# Altium PCB openmv-ae3.PcbDoc (part 1 of 5) (continued)
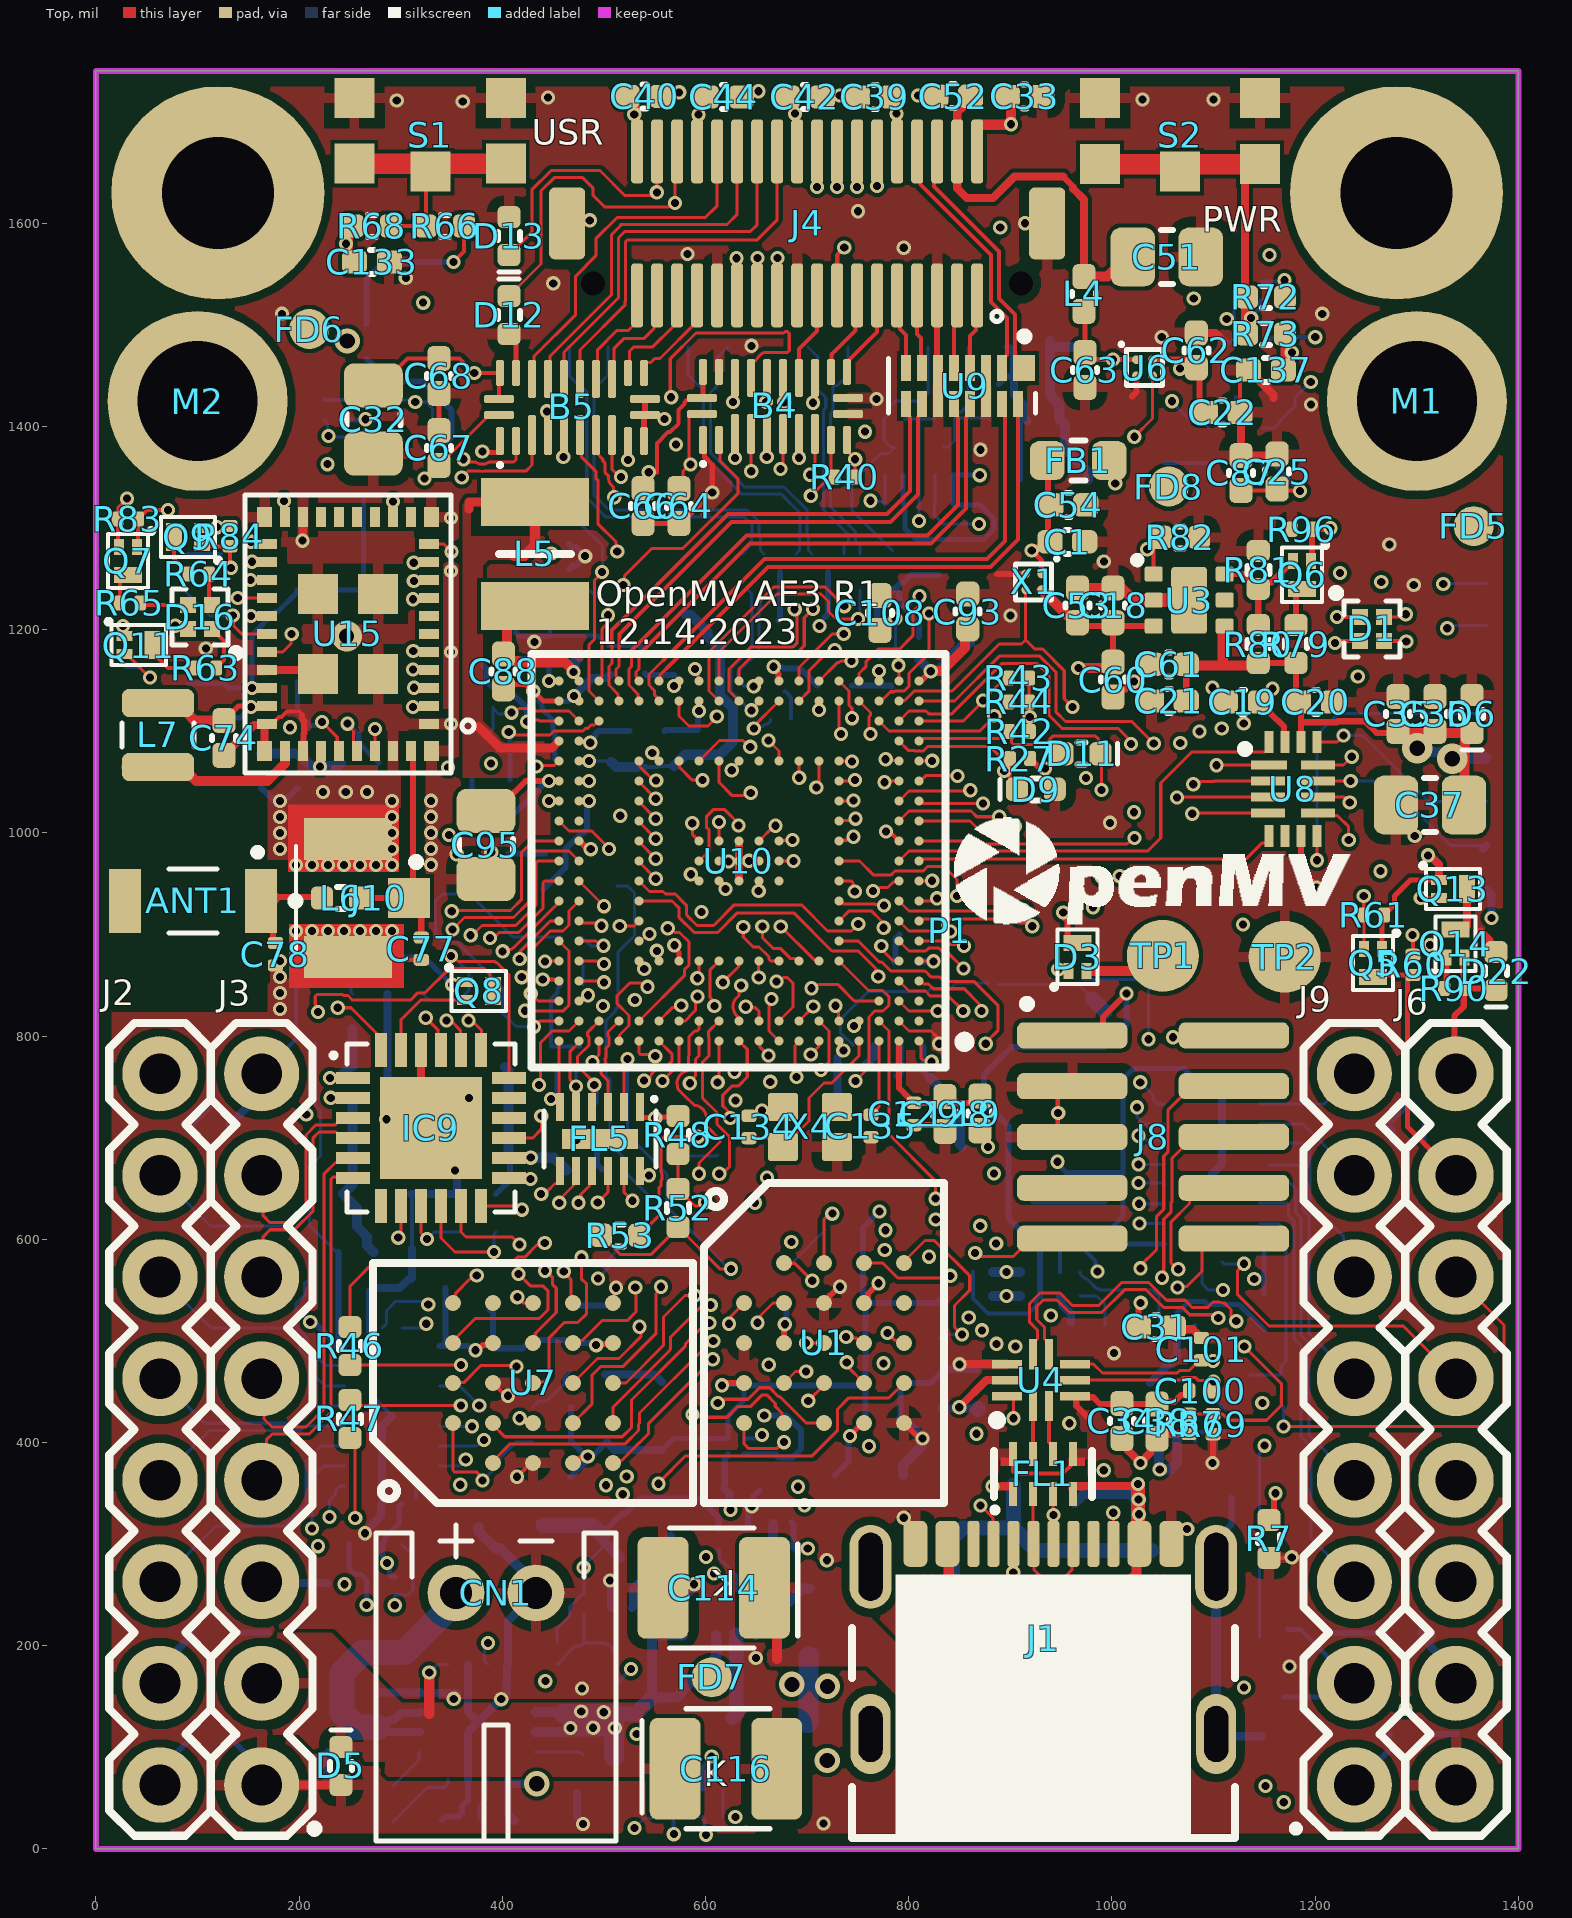
[diagram p0: Top view]
## Classes and differential pairs
differential pair class MIPI: MIPI_CSI_CLK MIPI_CSI_CLK_INT MIPI_CSI_D0 MIPI_CSI_D0_INT MIPI_CSI_D1 MIPI_CSI_D1_INT MIPI_DSI_CLK MIPI_DSI_CLK_INT MIPI_DSI_D0 MIPI_DSI_D0_INT MIPI_DSI_D1 MIPI_DSI_D1_INT USB_D
net class DCMI: DCMI_D0 DCMI_D1 DCMI_D2 DCMI_D5 DCMI_FSIN DCMI_MISO DCMI_MOSI DCMI_PWDN DCMI_RST# DCMI_SCLK DCMI_SDA DCMI_SSEL
component class wifi-bt: ANT1 C24 C73 C74 C75 C76 C77 C78 C79 C80 C86 J10 L6 L7 R56 R93 R94 U15 X3
component class usb: B1 C28 C30 C31 C34 C38 C41 C43 C100 C101 C110 FD1 FD2 FD3 FD4 FD5 FD6 FD7 FD8 FL1 J1 L1 M1 M2 P1 P2 P3 P4 Q1 R2 R3 R6 R7 R41 R98 R99 R100 U4 U5
component class sensor-header: B4 B5 C22 C32 C33 C39 C40 C42 C44 C51 C52 C62 C63 C64 C66 C67 C68 D9 D11 D12 D13 J4 L4 R27 R28 R40 R42 R43 R44 R54 U6 U9
component class sd-card: C18 C19 C20 C21 C35 C36 C37 C60 C61 D6 D18 J5 Q6 R79 R80 R81 R82 R95 R96 U3 U8
component class regulators: B2 B3 C1 C2 C45 C46 C47 C48 C49 C50 C53 C54 C58 C59 D3 L2 L3 R16 R17 R19 R20 R21 R22 TP1 TP2 X1 X2
component class psram: C6 C7 C11 C12 C29 R18 R23 R24 R25 R26 U1
component class prg-flash: C13 C14 C15 C16 C23 R29 R30 R31 R32 R33 U7
component class mic: B6 C25 C87
component class jtag: D10 FL5 J8 R48 R49 R50 R51 R52 R53 R55
component class io-headers: C69 C70 C71 C72 D4 D5 D7 D8 D14 D15 D19 J2 J3 J6 J9 R45 R46 R47 U11 U12
component class ideal-diode: C3 C4 C5 C114 D1 D17 IC1 Q2 Q3 R5 R8
component class ethernet: C65 C81 C82 C83 C84 C85 C89 C90 C96 IC9 L8 R34 R36 R38 R39
component class display-header: C139 C140 FB1 J7 U14
component class battery-charging: C8 C9 C10 C116 CN1 D2 R1 R4 R9 R10 R11 R12 R13 R14 U2
component class ae302f: C17 C55 C56 C57 C88 C91 C92 C93 C94 C95 C97 C98 C99 C102 C103 C104 C105 C106 C107 C108 C109 C111 C112 C113 C115 C117 C118 C119 C120 C121 C122 C123 C124 C125 C126 C127 C128 C129 C130 C131 C132 C133 C134 C135 C136 C137 C138 C141 C142 C143 D16 D20 D21 D22 D23 L5 L9 Q4 Q5 Q7 Q8 Q9 Q10 Q11 Q12 Q13 Q14 Q15 R57 R58 R59 R60 R61 R62 R63 R64 R65 R66 R67 R68 R69 R70 R71 R72 R73 R74 R75 R76 R77 R78 R83 R84 R85 R86 R87 R88 R89 R90 R91 R92 R97 S1 S2 U10 X4 Y1
component class accelerometer: C26 C27 IC7 R15 R35 R37
differential pair MDI_TX: +MDI_TX_P -MDI_TX_N
differential pair MDI_RX: +MDI_RX_P -MDI_RX_N
differential pair USB_D: +USB_D_P -USB_D_N
differential pair MIPI_DSI_D1: +MIPI_DSI_D1_P -MIPI_DSI_D1_N
differential pair MIPI_DSI_D1_INT: +MIPI_DSI_D1_INT_P -MIPI_DSI_D1_INT_N
differential pair MIPI_DSI_D0: +MIPI_DSI_D0_P -MIPI_DSI_D0_N
differential pair MIPI_DSI_D0_INT: +MIPI_DSI_D0_INT_P -MIPI_DSI_D0_INT_N
differential pair MIPI_DSI_CLK: +MIPI_DSI_CLK_P -MIPI_DSI_CLK_N
differential pair MIPI_DSI_CLK_INT: +MIPI_DSI_CLK_INT_P -MIPI_DSI_CLK_INT_N
differential pair MIPI_CSI_D1: +MIPI_CSI_D1_P -MIPI_CSI_D1_N
differential pair MIPI_CSI_D1_INT: +MIPI_CSI_D1_INT_P -MIPI_CSI_D1_INT_N
differential pair MIPI_CSI_D0: +MIPI_CSI_D0_P -MIPI_CSI_D0_N
differential pair MIPI_CSI_D0_INT: +MIPI_CSI_D0_INT_P -MIPI_CSI_D0_INT_N
differential pair MIPI_CSI_CLK: +MIPI_CSI_CLK_P -MIPI_CSI_CLK_N
differential pair MIPI_CSI_CLK_INT: +MIPI_CSI_CLK_INT_P -MIPI_CSI_CLK_INT_N
differential pair D2: +D2_P -D2_N
differential pair D1: +D1_P -D1_N
differential pair BL_USB_D: +BL_USB_D_P -BL_USB_D_N

## Components (designator, comment, footprint, x,y, rotation, side; value= is the part's Value field where it differs from the comment)
ANT1 "AMCA31-2R450G-S1F-T3" ANTC3216X140N 95.47,933.07 r180 top
B1 "NXS0102GTX" NXS0102GTX 938.98,556.1 r90 bottom
B2 "TPS62826DMQR" TPS62826ADMQR 527.56,219.49 r90 bottom
B3 "TPS62824DMQR" TPS62826ADMQR 630.24,228.48 r270 bottom
B4 "SN74AXC8T245RJWR" SN74AXC8T245RJWR 668.31,1420.28 r90 top
B5 "SN74AXC8T245RJWR" SN74AXC8T245RJWR 468.5,1419.29 r90 top
B6 "MP34DT05TR-A" MP34DT05TRA 1122.05,1380.91 r270 bottom
C1 "0.1uF" 0402-CAP 956.02,1286.61 r0 top
C2 "0.1uF" 0402-CAP 481,669 r0 bottom
C3 "4.7uF" 0402-CAP 806.1,193.9 r0 bottom
C4 "4.7uF" 0402-CAP 906.5,113.19 r90 bottom
C5 "4.7uF" 0402-CAP 808.07,52.17 r0 bottom
C6 "0.1uF" 0402-CAP 637.8,478.35 r90 bottom
C7 "0.1uF" 0402-CAP 774.61,423.23 r0 bottom
C8 "4.7uF" 0402-CAP 277.56,141.81 r270 bottom
C9 "4.7uF" 0402-CAP 429.13,27.56 r180 bottom
C10 "4.7uF" 0402-CAP 509.84,73.82 r90 bottom
C11 "0.1uF" 0402-CAP 736.22,537.4 r180 bottom
C12 "4.7uF" 0402-CAP 774.61,458.66 r180 bottom
C13 "0.1uF" 0402-CAP 449.8,366.14 r180 bottom
C14 "22uF" 0805 760.83,368.11 r180 bottom
C15 "0.1uF" 0402-CAP 508.86,517.72 r90 bottom
C16 "0.1uF" 0402-CAP 390.66,475.71 r270 bottom
C17 "1uF" 0402-CAP 803.74,758.86 r180 bottom
C18 "0.1uF" 0402-CAP 1001,1224 r90 top
C19 "0.1uF" 0402-CAP 1128.94,1128.94 r180 top
C20 "0.1uF" 0402-CAP 1200.79,1128.94 r0 top
C21 "0.1uF" 0402-CAP 1056,1130 r180 top
C22 "0.1uF" 0402-CAP 1109,1414 r0 top
C23 "4.7uF" 0402-CAP 502.95,417.32 r270 bottom
C24 "4.7uF" 0402-CAP 246.06,1327.76 r0 bottom
C25 "0.1uF" 0402-CAP 1162.55,1355.78 r90 top
C26 "0.1uF" 0402-CAP 283.46,1466.54 r0 bottom
C27 "4.7uF" 0402-CAP 283.46,1500.98 r180 bottom
C28 "0.1uF" 0402-CAP 868.11,450.79 r90 bottom
C29 "22uF" 0805 557,426 r270 bottom
C30 "4.7uF" 0402-CAP 831.69,450.79 r270 bottom
C31 "0.1uF" 0402-CAP 1043.31,513.78 r0 top
C32 "22uF" 0805 273,1407 r270 top
C33 "4.7uF" 0402-CAP 914,1725 r180 top
C34 "0.1uF" 0402-CAP 1009.84,421.26 r90 top
C35 "4.7uF" 0402-CAP 1281.5,1117.13 r270 top
C36 "0.1uF" 0402-CAP 1317.91,1117.13 r90 top
C37 "22uF" 0805 1312.99,1027.56 r180 top
C38 "4.7uF" 0402-CAP 1044.29,420.87 r270 top
C39 "4.7uF" 0402-CAP 766.73,1724.41 r0 top
C40 "4.7uF" 0402-CAP 540,1725 r180 top
C41 "0.1uF" 0402-CAP 923.23,621.06 r90 bottom
C42 "4.7uF" 0402-CAP 697.83,1724.41 r180 top
C43 "0.1uF" 0402-CAP 958.66,621.06 r90 bottom
C44 "4.7uF" 0402-CAP 618.11,1724.41 r180 top
C45 "22uF" 0805 410.23,317 r180 bottom
C46 "22uF" 0805 702,223 r90 bottom
C47 "120pF" C0201 453.74,192.91 r90 bottom
C48 "120pF" C0201 677.32,296.26 r0 bottom
C49 "4.7uF" 0402-CAP 577.76,227.36 r270 bottom
C50 "4.7uF" 0402-CAP 576,136 r90 bottom
C51 "22uF" 0805 1054,1567 r0 top
C52 "4.7uF" 0402-CAP 843.75,1725.15 r0 top
C53 "4.7uF" 0402-CAP 966,1224 r90 top
C54 "4.7uF" 0402-CAP 957,1323 r0 top
C55 "0.22uF" C0201 756,791 r180 bottom
C56 "0.22uF" C0201 810.04,1182.09 r270 bottom
C57 "4.7uF" 0402-CAP 507.87,1052.16 r270 bottom
C58 "4.7uF" 0402-CAP 636,353 r0 bottom
C59 "4.7uF" 0402-CAP 467,518 r90 bottom
C60 "4.7uF" 0402-CAP 1001,1151 r270 top
C61 "4.7uF" 0402-CAP 1056,1166 r180 top
C62 "4.7uF" 0402-CAP 1083,1475 r90 top
C63 "4.7uF" 0402-CAP 973.43,1455.71 r270 top
C64 "0.1uF" 0402-CAP 573.82,1321.85 r270 top
C65 "4.7uF" 0402-CAP 269.68,841.54 r180 bottom
C66 "0.1uF" 0402-CAP 538.39,1321.85 r270 top
C67 "0.1uF" 0402-CAP 337.6,1378.94 r90 top
C68 "0.1uF" 0402-CAP 337.6,1449.8 r270 top
C69 "0.1uF" 0402-CAP 327,561 r180 bottom
C70 "0.1uF" 0402-CAP 255.91,552.17 r0 bottom
C71 "0.1uF" 0402-CAP 992,621 r90 bottom
C72 "0.1uF" 0402-CAP 1149.61,528.54 r270 bottom
C73 "0.1uF" 0402-CAP 246.06,1292.32 r180 bottom
C74 "0.1uF" 0402-CAP 125.98,1093.5 r270 top
C75 "0.1uF" 0402-CAP 90.55,1164.37 r90 bottom
C76 "0.1uF" 0402-CAP 198.82,1061.02 r270 bottom
C77 "GRM0335C1H1R5BA01D" CAPC0603X33N 320.2,886.17 r270 top
C78 "DNP" C0201-NO-3D 176.63,880.73 r270 top
C79 "4.7uF" 0402-CAP 125.98,1093.5 r90 bottom
C80 "4.7uF" 0402-CAP 125.98,1164.37 r270 bottom
C81 "0.1uF" 0402-CAP 269.68,736.22 r0 bottom
C82 "4.7uF" 0402-CAP 269.68,700.79 r180 bottom
C83 "4.7uF" 0402-CAP 269.68,807.09 r180 bottom
C84 "0.1uF" 0402-CAP 269.68,770.67 r0 bottom
C85 "22uF" 0805 276.57,644.68 r0 bottom
C86 "4.7uF" 0402-CAP 162.4,1061.02 r90 bottom
C87 "4.7uF" 0402-CAP 1126.97,1354.33 r270 top
C88 "4.7uF" 0402-CAP 401,1159 r270 top
C89 "0.1uF" 0402-CAP 388.78,678.15 r180 bottom
C90 "4.7uF" 0402-CAP 388.78,713.58 r0 bottom
C91 "DNP" 0805 818.9,691.53 r0 bottom
C92 "22uF" 0805 581,1248 r270 bottom
C93 "4.7uF" 0402-CAP 858,1218 r90 top
C94 "0.22uF" C0201 465.55,1049.21 r180 bottom
C95 "22uF" 0805 383.86,988.19 r90 top
C96 "22uF" 0805 369.09,769.68 r180 bottom
C97 "4.7uF" 0402-CAP 727,1145 r0 bottom
C98 "22uF" 0805 860,1221 r270 bottom
C99 "0.22uF" C0201 677.69,1150.06 r90 bottom
C100 "47pF" C0201 1087,451 r0 top
C101 "47pF" C0201 1088,492 r270 top
C102 "0.22uF" C0201 475.39,1183.24 r270 bottom
C103 "0.22uF" C0201 730.68,850.79 r270 bottom
C104 "0.22uF" C0201 468.5,874.02 r180 bottom
C105 "0.22uF" C0201 711.61,1098.42 r90 bottom
C106 "0.22uF" C0201 797.07,873.03 r0 bottom
C107 "22uF" 0805 715,692 r90 bottom
C108 "4.7uF" 0402-CAP 771.65,1216.53 r90 top
C109 "0.22uF" C0201 770.67,1182.09 r270 bottom
C110 "1nF" 0402-CAP 1164,111 r0 bottom
C111 "0.22uF" C0201 468.5,850.39 r180 bottom
C112 "4.7uF" 0402-CAP 406.5,997.05 r270 bottom
C113 "0.22uF" C0201 462.6,1071.85 r0 bottom
C114 "220uF" CAP-TANT-1411 608,257 r180 top
C115 "4.7uF" 0402-CAP 542.32,1100.39 r0 bottom
C116 "220uF" CAP-TANT-1411 620,79 r0 top
C117 "0.22uF" C0201 496.06,1111.22 r270 bottom
C118 "1uF" 0402-CAP 413.39,1180.12 r90 bottom
C119 "0.22uF" C0201 445.56,1182.78 r270 bottom
C120 "1uF" 0402-CAP 441.93,997.05 r270 bottom
C121 "0.22uF" C0201 593.5,1139.76 r90 bottom
C122 "1uF" 0402-CAP 540,1167 r90 bottom
C123 "0.22uF" C0201 568.9,1166.34 r270 bottom
C124 "1uF" 0402-CAP 377.95,1180.12 r90 bottom
C125 "0.22uF" C0201 438.98,1099.41 r180 bottom
C126 "1uF" 0402-CAP 505,1167 r90 bottom
C127 "0.22uF" C0201 446.85,1129.92 r180 bottom
C128 "1uF" 0402-CAP 835.63,723.42 r270 top
C129 "0.22uF" C0201 805.12,723.42 r90 top
C130 "1uF" 0402-CAP 423.33,944.41 r180 bottom
C131 "0.22uF" C0201 494.09,1004.92 r180 bottom
C132 "1uF" 0402-CAP 371.06,997.05 r270 bottom
C133 "4.7uF" 0402-CAP 271.65,1562.01 r180 top
C134 "DNP" C0201 642.72,710.63 r270 top
C135 "DNP" C0201 762.79,711.61 r90 top
C136 "DNP" C0201 465.55,1249.02 r90 bottom
C137 "4.7uF" 0402-CAP 1151.57,1455.71 r0 top
C138 "DNP" C0201 465.55,1295.62 r270 bottom
C139 "22uF" 0805 943,1348 r180 bottom
C140 "4.7uF" 0402-CAP 969,1404 r180 bottom
C141 "0.22uF" C0201 802,791 r0 bottom
C142 "0.22uF" C0201 379.88,1124.12 r0 bottom
C143 "0.22uF" C0201 622,684 r180 bottom
CN1 "S2B-PH-K-S(LF)(SN)" JST-PH-2-THM-RA 393.7,251.97 r180 top
D1 "UHD1110-FKA-CL1A13R3Q1BBQFMF3" LED_UHD1110-FKA-CL1A13R3Q1BBQFMF3 1255.91,1200.79 r0 top
D2 "CPDQT5V0HE-HF" CPDQT5V0HEHF 229,113 r270 bottom
D3 "Dual Schottky" DFN1006 966,878 r90 top value=?V
D4 "CPDQT5V0HE-HF" CPDQT5V0HEHF 113.12,109.73 r0 bottom
D5 "CPDQT5V0HE-HF" CPDQT5V0HEHF 241.14,81.69 r270 top
D6 "CPDQT5V0HE-HF" CPDQT5V0HEHF 1354.33,1117.13 r90 top
D7 "CPDQT5V0HE-HF" CPDQT5V0HEHF 1289.37,212.6 r180 bottom
D8 "CPDQT5V0HE-HF" CPDQT5V0HEHF 228,243 r270 bottom
D9 "CPDQT5V0HE-HF" CPDQT5V0HEHF 925,1043 r0 top
D10 "CPDQT5V0HE-HF" CPDQT5V0HEHF 900.59,770.67 r270 bottom
D11 "CPDQT5V0HE-HF" CPDQT5V0HEHF 970,1078 r180 top
D12 "CPDQT5V0HE-HF" CPDQT5V0HEHF 406.5,1509.84 r270 top
D13 "CPDQT5V0HE-HF" CPDQT5V0HEHF 406.5,1587.6 r90 top
D14 "CPDQT5V0HE-HF" CPDQT5V0HEHF 1292.32,113.19 r0 bottom
D15 "CPDQT5V0HE-HF" CPDQT5V0HEHF 1288.39,712.6 r180 bottom
D16 "UHD1110-FKA-CL1A13R3Q1BBQFMF3" LED_UHD1110-FKA-CL1A13R3Q1BBQFMF3 102.36,1212.6 r180 top
D17 "Dual Schottky" SOT-23-3 987.84,254.42 r270 bottom value=?V
D18 "CPDQT5V0HE-HF" CPDQT5V0HEHF 879,871 r90 bottom
D19 "CPDQT5V0HE-HF" CPDQT5V0HEHF 113,713 r180 bottom
D20 "CPDQT5V0HE-HF" CPDQT5V0HEHF 114,211 r0 bottom
D21 "CPDQT5V0HE-HF" CPDQT5V0HEHF 896,1405 r0 bottom
D22 "CPDQT5V0HE-HF" CPDQT5V0HEHF 1378,864 r90 top
D23 "CPDQT5V0HE-HF" CPDQT5V0HEHF 788,1259 r270 bottom
FB1 "MFBM1V1608-101-R" 0603-RES 967.8,1366.59 r0 top
FD1 "FIDUCIAL1X2" FIDUCIAL-1X2 1129,1644 r180 bottom
FD2 "FIDUCIAL1X2" FIDUCIAL-1X2 979,701 r180 bottom
FD3 "FIDUCIAL1X2" FIDUCIAL-1X2 1104,37 r180 bottom
FD4 "FIDUCIAL1X2" FIDUCIAL-1X2 262,1633 r180 bottom
FD5 "FIDUCIAL1X2" FIDUCIAL-1X2 1356,1302 r0 top
FD6 "FIDUCIAL1X2" FIDUCIAL-1X2 210,1496 r0 top
FD7 "FIDUCIAL1X2" FIDUCIAL-1X2 606,169 r0 top
FD8 "FIDUCIAL1X2" FIDUCIAL-1X2 1056,1341 r0 top
FL1 "ECMF02-4CMX8" ECMF024CMX8 932.09,369.09 r0 top
FL5 "EMIF06-1005M12" SON40P150X250X65-13N 496.06,698.82 r270 top
IC1 "LM66200DRLR" SOTFL50P160X60-8N 840.55,125 r90 bottom
IC7 "MXC4005XC" MXC4005XC 289.57,1408.07 r180 bottom
IC9 "KSZ8081RNDCA-TR" QFN50P400X400X90-25N 329.72,709.65 r0 top
J1 "USB4105-GF-A" GCT_USB4105-GF-A 932.46,113.19 r0 top locked
J2 "DNP" 1X08 62.99,62.99 r90 top
J3 "DNP" 1X08 162.99,62.99 r90 top
J4 "DF12NB(3.0)-36DS-0.5V(51)" DF12-36-DS 700,1600 r0 top locked
J5 "USD-1040310811" 1040310811 1155.51,1066.93 r270 bottom locked
J6 "DNP" 1X08 1338.58,62.99 r90 top
J7 "SFW15R-2STE1LF" CON15_1X15_DRB_SFW_JAE 700.2,1610.91 r180 bottom locked
J8 "FTSH-105-01-F-DV-K-P-TR" CNC_3221-10-0300-00 1040.35,700.79 r270 top locked
J9 "DNP" 1X08 1238.58,62.99 r90 top
J10 "DNP" 23370191-NO-3D 248.16,936.04 r90 top
L1 "MFBM1V1608-101-R" 0603-RES 934,355 r0 bottom
L2 "CIGT201210UHR47MNE" 0805 532.48,308.07 r180 bottom value=470nH
L3 "CIGT201210UHR47MNE" 0805 667,124 r0 bottom value=470nH
L4 "100" C0402 972.44,1530.51 r270 top
L5 "SRP3212-2R2M" IND3225X100N 432.09,1274.61 r270 top
L6 "3.9NH" 0402 241.14,936.02 r0 top
L7 "MAKK2016T2R2M" INDC2016X100N 61.02,1096.46 r90 top
L8 "100" C0402 255.91,587.6 r180 bottom
L9 "100" C0402 870.08,724.02 r270 top
M1 "9774030243R" 9774030243R 1300,1425 r0 top
M2 "9774030243R" 9774030243R 100,1425 r0 top
P1 "OpenMV Logo" OMV-LOGO-SMALL 840.25,903.75 r0 top
P2 "OpenMV Logo" OMV-LOGO-SMALL 920,997 r180 bottom
P3 "RoHS Logo" ROHS 171.42,869.29 r180 bottom
P4 "WEEE Logo" WEEE 357.45,894.31 r180 bottom
Q1 "NMOS" DFN1006 1159.18,208.35 r180 bottom
Q2 "DMG2301L-7" SOT-23-3-FET 1002,93 r180 bottom
Q3 "NMOS" DFN1006 884.14,219.93 r0 bottom
Q4 "NMOS" DFN1006 1134,1534 r180 bottom
Q5 "NMOS" DFN1006 1256.89,872.05 r270 top
Q6 "NMOS" DFN1006 1187,1254 r270 top
Q7 "NMOS" DFN1006 31.5,1267.72 r270 top
Q8 "NMOS" DFN1006 376.91,844.62 r0 top
Q9 "NMOS" DFN1006 90.55,1291.34 r180 top
Q10 "NMOS" DFN1006 280.51,258.86 r180 bottom
Q11 "NMOS" DFN1006 42,1185 r0 top
Q12 "NMOS" DFN1006 834.65,1366.14 r90 bottom
Q13 "NMOS" DFN1006 1335.63,944.88 r0 top
Q14 "NMOS" DFN1006 1338,891 r90 top
Q15 "NMOS" DFN1006 785.43,1366.14 r90 bottom
R1 "5.1K" R0201 607.15,31.12 r180 bottom
R2 "100K" R0201 468.4,897.72 r0 bottom
R3 "100K" R0201 1158.78,149.48 r180 bottom
R4 "10K" R0201 558.15,31.12 r0 bottom
R5 "1K" r0201 911.78,184.09 r0 bottom
R6 "5.1K" 0402-RES 857,367 r90 bottom
R7 "5.1K" 0402-RES 1154.53,305.12 r270 top
R8 "100K" R0201 871.43,184.51 r0 bottom
R9 "10K" 0402-RES 273.62,62.01 r180 bottom
R10 "1.1K" 0402-RES 473.43,73.82 r270 bottom
R11 "46.4K" 0402-RES 359.25,28.54 r180 bottom
R12 "8.2K" 0402-RES 273.62,26.57 r180 bottom
R13 "100K" R0201 607.69,58.38 r0 bottom
R14 "100K" R0201 558.69,58.38 r180 bottom
R15 "2.7K" R0201 330.71,1391.73 r270 bottom
R16 "1Meg" R0201 613,305 r90 bottom
R17 "200K" R0201 676.34,319.88 r180 bottom
R18 "100K" 0402-RES 736.22,609.25 r180 bottom
R19 "100K" R0201 510.83,151.57 r270 bottom
R20 "453K" R0201 480.32,241.14 r90 bottom
R21 "100K" R0201 480.32,192.91 r90 bottom
R22 "100K" R0201 637.95,305.12 r270 bottom
R23 "100K" 0402-RES 736.22,573.82 r180 bottom
R24 "100K" 0402-RES 830,521 r270 bottom
R25 "100K" 0402-RES 795,521 r270 bottom
R26 "0" 0402-RES 682.09,555.12 r270 bottom
R27 "10K" R0201 909.38,1073.29 r0 top
R28 "1K" R0201 1135.83,456.69 r90 bottom
R29 "100K" 0402-RES 430.12,519.68 r90 bottom
R30 "100K" 0402-RES 390.75,546.26 r90 bottom
R31 "100K" 0402-RES 448.82,400.59 r180 bottom
R32 "100K" 0402-RES 448.82,435.04 r180 bottom
R33 "0" 0402-RES 448.82,470.47 r180 bottom
R34 "100K" 0402-RES 269.68,876.97 r0 bottom
R35 "2.7K" R0201 250,1416.54 r90 bottom
R36 "1K" 0402-RES 322.83,859.25 r90 bottom
R37 "2.7K" R0201 224.41,1416.54 r90 bottom
R38 "6.49K" 0402-RES 358.27,625.98 r90 bottom
R39 "1K" 0402-RES 393.7,625.98 r90 bottom
R40 "100K" R0201 737.2,1350.39 r0 top
R41 "1Meg" 0402-RES 1099,346 r180 bottom
R42 "10K" R0201 909,1100 r0 top
R43 "2.7K" R0201 908.46,1152.56 r0 top
R44 "2.7K" R0201 908.46,1128.94 r0 top
R45 "220" 0402-RES 214.57,858.27 r270 bottom
R46 "200" 0402-RES 250,495.08 r90 top
R47 "200" 0402-RES 250,423.23 r270 top
R48 "DNP" 0402-RES 572.83,702.76 r270 top
R49 "100K" R0201 446.77,779.72 r90 bottom
R50 "100K" R0201 470.39,779.72 r90 bottom
R51 "0" 0402-RES 571,701 r270 bottom
R52 "DNP" 0402-RES 572.83,630.91 r270 top
R53 "DNP" 0402-RES 516,604 r180 top
R54 "1K" R0201 1166.34,456.69 r90 bottom
R55 "100K" R0201 493,724 r90 bottom
R56 "100K" 0402-RES 123.03,1255.91 r90 bottom
R57 "82K" R0201 512.8,937.99 r270 bottom
R58 "100K" R0201 488.19,937.83 r270 bottom
R59 "100K" 0402-RES 1134,1482 r0 bottom
R60 "100K" R0201 1296.26,870.08 r90 top
R61 "100K" R0201 1257.87,919.29 r0 top
R62 "4.7K" 0402-RES 388.78,1052.17 r180 bottom
R63 "1K" R0201 108.27,1162.4 r0 top
R64 "10K" R0201 101.38,1254.92 r0 top
R65 "5.1K" R0201 33.46,1226.38 r0 top
R66 "10K" 0402-RES 343.5,1597.44 r0 top
R67 "180K" R0201 1075.79,418.31 r90 top
R68 "10K" 0402-RES 271.65,1597.44 r180 top
R69 "100K" R0201 1099.41,418.15 r270 top
R70 "200" R0201 601.87,1101.47 r0 bottom
R71 "200" R0201 675,1112 r0 bottom
R72 "10K" 0402-RES 1151.57,1527.56 r0 top
R73 "10K" 0402-RES 1151.57,1491.14 r0 top
R74 "100K" R0201 873.03,544.29 r180 bottom
R75 "100K" R0201 873.03,567.91 r180 bottom
R76 "10K" R0201 386.22,1088.21 r270 bottom
R77 "10K" R0201 585,938 r270 bottom
R78 "100K" r0201 610,963 r90 bottom
R79 "82K" 0402-RES 1181,1186 r270 top
R80 "100K" 0402-RES 1144,1186 r270 top
R81 "36K" 0402-RES 1144,1259 r270 top
R82 "100K" 0402-RES 1067,1291 r180 top
R83 "100K" R0201 31.5,1309.06 r0 top
R84 "100K" R0201 131.89,1292.17 r270 top
R85 "10K" R0201 291.18,300.2 r180 bottom
R86 "10K" R0201 239.17,300.2 r180 bottom
R87 "100K" R0201 28.99,1172.66 r90 bottom
R88 "2.7K" R0201 834.65,1322.83 r0 bottom
R89 "2.7K" R0201 835.63,1408.46 r180 bottom
R90 "10K" R0201 1337,847 r180 top
R91 "2.7K" R0201 786.26,1322.83 r0 bottom
R92 "2.7K" R0201 785.59,1407.48 r0 bottom
R93 "10K" 0402-RES 88.58,1255.91 r90 bottom
R94 "10K" 0402-RES 259.84,1068.9 r0 bottom
R95 "1Meg" R0201 833,848 r180 bottom
R96 "100K" R0201 1187,1299 r0 top
R97 "10K" R0201 216,804 r270 bottom
R98 "27" R0201 1110,491 r270 bottom
R99 "27" R0201 1112,422 r90 bottom
R100 "2.2M" R0201 1155,248 r180 bottom
S1 "KMS231GLFS" KMS231GLFS#1 329.32,1690.83 r180 top
S2 "KMS231GLFS" KMS231GLFS#2 1067,1690.83 r180 top
TP1 "TP" TP_1p8 1050,879 r0 top
TP2 "TP" TP_1p8 1170,878 r0 top
U1 "APS25608N-OBR-BD" 24-TBGA 716.54,498.03 r0 top
U2 "BQ24075RGTR" QFN50P300X300X100-17N 375.98,125 r0 bottom
U3 "LDO" DFN2020-6 1076,1229.23 r0 top
U4 "USB MUX" TC7USB42MU,LF(S2E 930.12,461.43 r90 top
U5 "USB to UART" SON45P300X300X80-13N 1037.4,458.66 r90 bottom
U6 "PMOS Load Switch" AP22916CCA4-7 1032,1458 r0 top
U7 "IS25WP256D-RHLE" 24-TBGA 430.12,458.66 r90 top
U8 "NVT4858HKZ" NVT4858HKZ 1178.15,1043.31 r0 top
U9 "EMI8143MUTAG" IC_EMI8143MUTAG 852.36,1439.96 r270 top
U10 "Alif_E _Series_BGA194" "BGA194 _CENTERED" 632.84,972.48 r180 top locked
U11 "NXS0108BQX" DHVQFN20_SOT764-1_NEX 291.34,426.18 r180 bottom
U12 "NXS0108BQX" DHVQFN20_SOT764-1_NEX 1098.43,664.37 r0 bottom
U14 "EMI8143MUTAG" IC_EMI8143MUTAG 696.85,1256.89 r270 bottom
U15 "LBEE5KL1DX-883" XCVR_LBEE5KL1DX-TEMP 248.03,1195.87 r180 top locked
X1 "PMOS Load Switch" AP22916CCA4-7 922.87,1247.13 r270 top
X2 "PMOS Load Switch" AP22916CCA4-7 630,396 r270 bottom
X3 "ECS-327MVATX-3-CN-TR3" XTAL_3225 233.27,1193.9 r270 bottom
X4 "XRCGB38M400F4M00R0" XTAL_2016 702.76,710.63 r180 top
Y1 "SC32S-7PF20PPM" XTAL_ABS07-32.768KHZ-7-T 406.5,1288.39 r270 bottom